# Allegro board reServer J2032_V1.brd (continued)
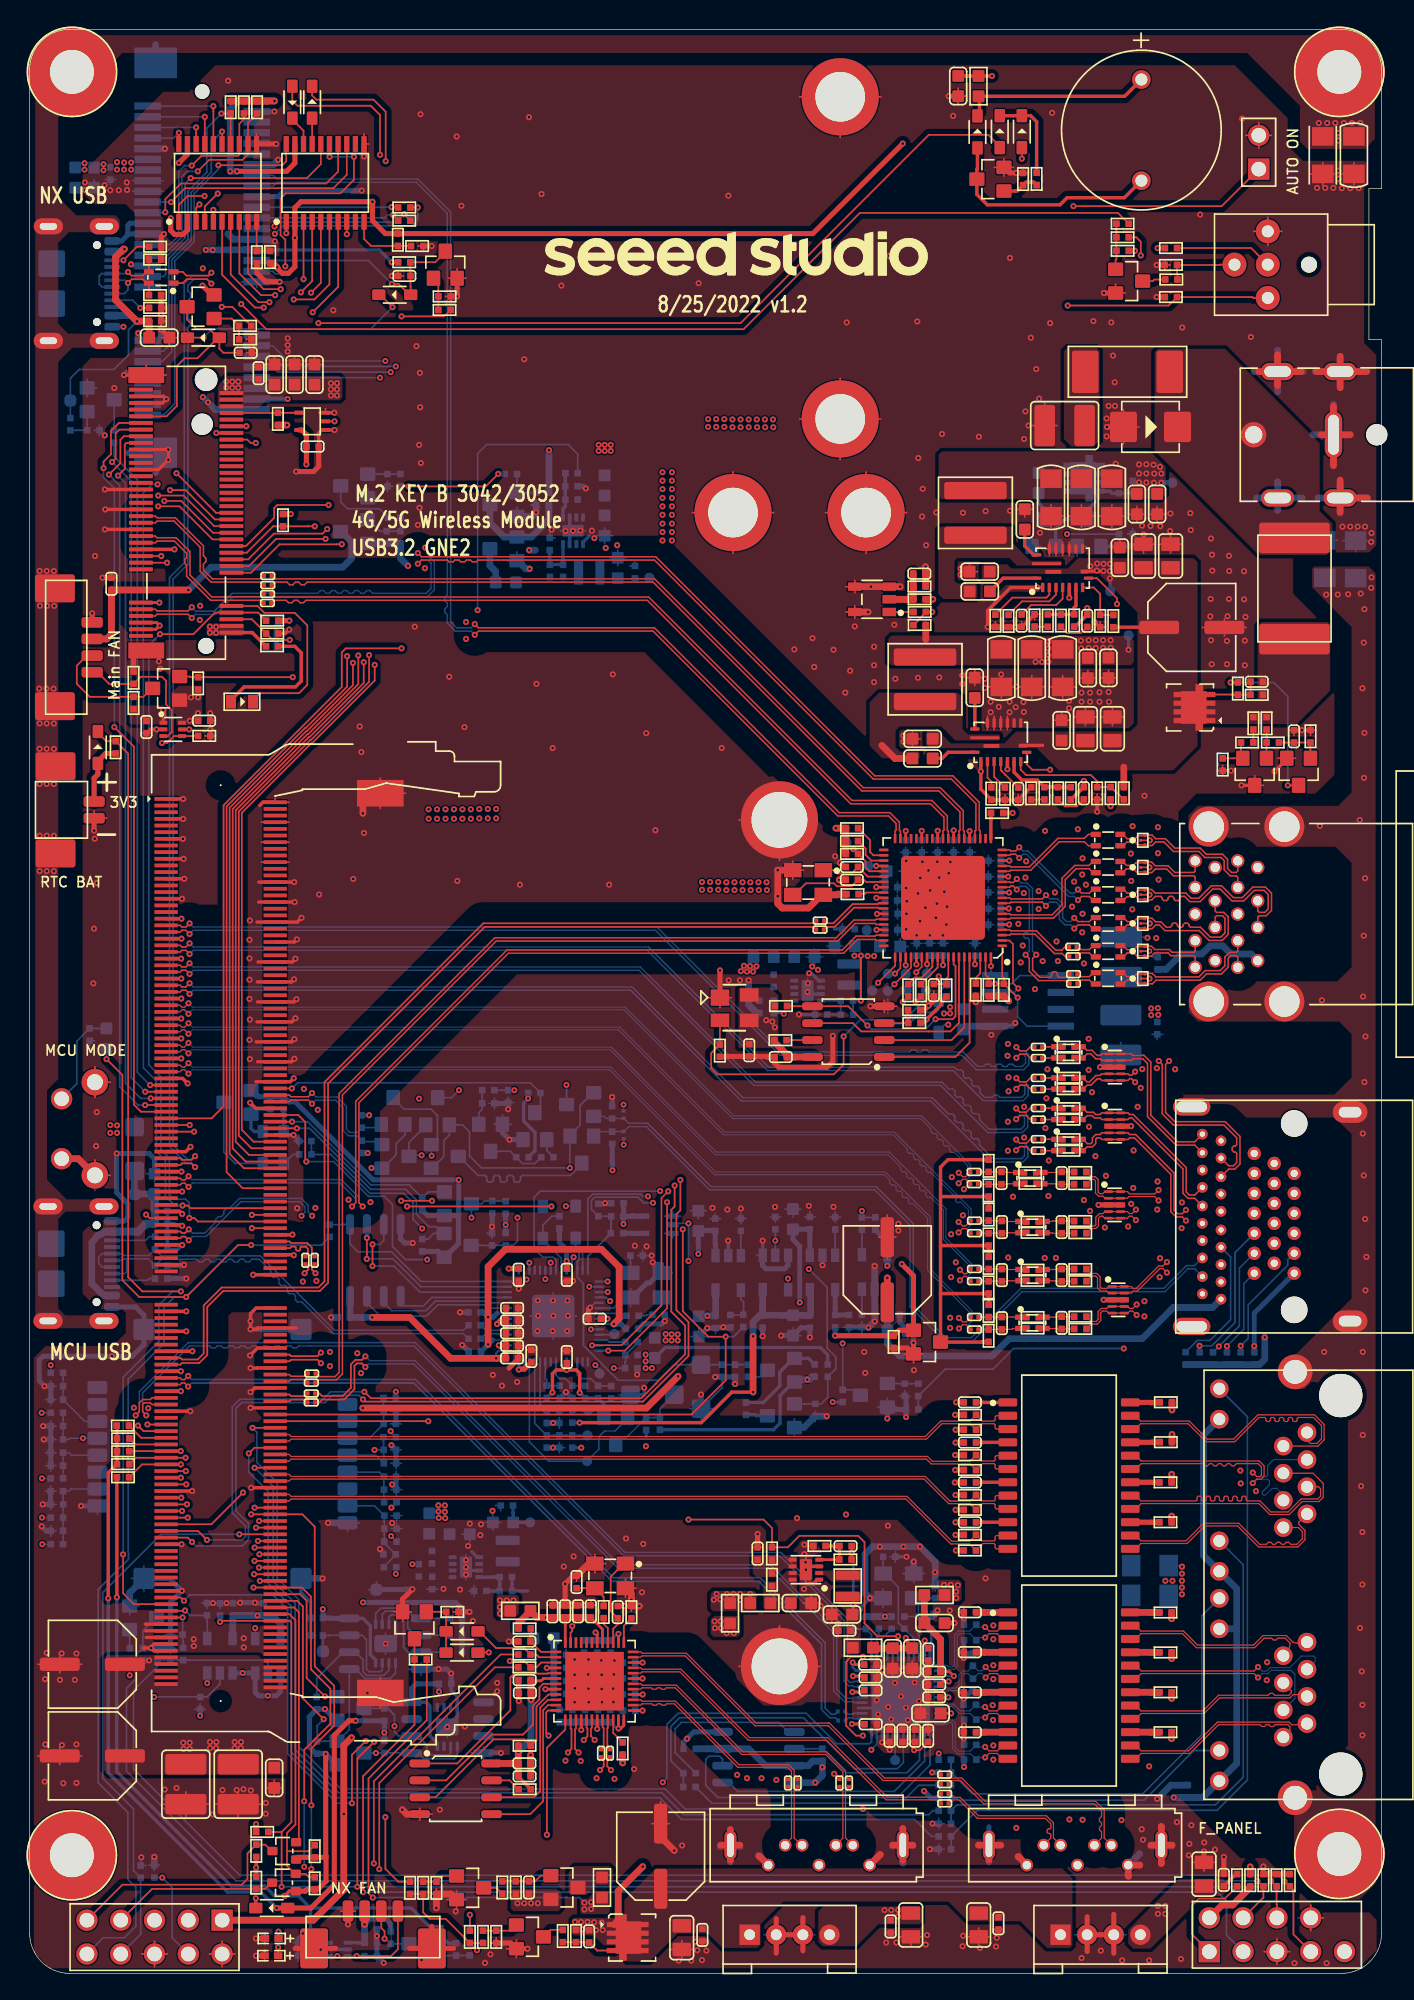
[diagram p0: board, top side]
## Copper pours and planes (outline as drawn; the poured copper is in the pictures)
0V95_SW on TOP: 59.06,30.26 62.37,30.26 62.47,30.16 62.47,29.52 62.37,29.42 60.28,29.42 59.8,29.9 59.04,29.9 59.01,29.93 59.01,30.21
1V05_SW on BOTTOM: 59.19,73.9 62.52,73.9 62.65,74.02 62.65,74.73 62.57,74.81 60.41,74.81 59.85,74.25 59.17,74.25 59.14,74.23 59.14,73.95
1V8_SW on BOTTOM: 40.9,107.68 40.9,104.38 41.03,104.25 41.64,104.25 41.74,104.35 41.74,106.48 41.23,106.99 41.23,107.65 41.18,107.7 40.93,107.7
1V25_SW on BOTTOM: 36.87,31.33 36.99,31.2 36.99,30.69 36.89,30.59 33.51,30.59 33.46,30.64 33.46,30.89 33.51,30.94 34.2,30.94 34.58,31.33
3V3_IN_A on BOTTOM: 29.98,31.48 29.98,32.09 29.45,32.62 29.45,33.41 29.55,33.51 31.96,33.51 32.13,33.34 32.13,30.65 32.09,30.61 31.28,30.61 30.49,31.4 30.06,31.4
3V3_IN_B on BOTTOM: 55.38,76.99 57.77,76.99 57.97,76.79 57.97,75.65 57.77,75.45 57.77,73.92 57.74,73.9 57.11,73.9 56.3,74.71 55.56,74.71 55.33,74.94 55.33,76.94
3V3_IN_C on TOP: 56.91,30.26 57.62,30.26 57.67,30.21 57.67,27.41 57.52,27.26 55.31,27.26 55.13,27.44 55.13,29.14 55.43,29.45 56.09,29.45
3V3_IN_D on BOTTOM: 40.9,111.06 40.9,109.13 40.98,109.05 43.62,109.05 43.98,109.4 43.98,111.44 43.85,111.56 42.05,111.56 41.61,111.13 40.98,111.13
3V3_MCU on BOTTOM: 45.4,46.82 47.3,46.82 47.51,46.62 47.51,45.42 47.3,45.22 45.65,45.22 45.35,45.52 45.35,46.77
3V3_MCU on LYR4_PWR: 47.05,56.78 47.05,45.3 46.87,45.12 34.86,45.12 34.4,45.57 34.4,56.22 35.42,57.23 46.59,57.23
12V_IN1 on TOP: 84.79,122.05 89.85,122.05 96.96,114.94 96.96,109.86 97.9,108.92 97.9,106.99 97.47,106.56 92.36,106.56 84.54,114.38 84.54,121.8
12V_IN2 on TOP: 97.75,101.33 97.75,96.37 95.23,93.86 88.07,93.86 88,93.94 88,95.64 88.02,95.66 92.11,95.66 92.29,95.84 92.29,101.25 92.57,101.53 97.55,101.53
GND_EARTH on TOP: 96.53,105.7 100.64,105.7 101.15,105.19 101.15,6.74 99.96,5.54 98,5.54 95.03,8.52 95.03,12.71 93.99,13.75 96.68,13.75 96.68,16.47 95.06,16.47 95.06,16.77 93.76,16.77 92.95,17.58 87.73,17.58 89.15,19 89.2,19.04 89.27,19.05 93.58,19.05 93.67,19.11 93.65,19.22 93.48,19.48 93.42,19.79 93.48,20.09 93.65,20.35 93.67,20.46 93.58,20.53 89.5,20.53 88.38,19.4 88.32,19.37 88.26,19.35 83.6,19.35 83.52,19.27 83.52,18.92 83.46,18.78 83.31,18.72 82.59,18.72 82.59,18.52 83.32,18.52 83.36,18.52 83.4,18.5 84.27,18.5 84.32,18.5 84.9,18.5 84.97,18.49 85.05,18.47 85.1,18.47 85.21,18.43 85.25,18.32 85.25,18.27 85.28,18.19 85.28,18.12 85.28,18.05 85.25,17.97 85.25,17.92 85.21,17.81 85.1,17.77 85.05,17.77 84.97,17.74 84.9,17.74 84.27,17.74 84.21,17.74 83.4,17.74 83.36,17.72 83.32,17.72 82.59,17.72 82.59,17.52 83.31,17.52 83.46,17.47 83.52,17.32 83.52,16.97 83.59,16.89 84.41,16.89 82.67,15.16 82.59,15.25 82.59,26.93 83.98,25.53 96.43,25.53 96.89,25.99 96.89,17.53 96.12,17.53 95.89,17.3 95.89,16.72 96.05,16.57 97.72,16.57 97.75,16.59 97.75,16.82 98.76,16.82 99.07,17.13 99.07,41.54 96.47,41.54 96.41,41.6 95.42,41.6 95.42,41.54 92.74,41.54 92.74,41.6 92.46,41.6 90.69,39.82 90.63,39.78 90.57,39.77 88.42,39.77 88.36,39.78 88.3,39.82 87,41.13 83.56,41.13 83.52,41.09 83.52,40.7 83.46,40.55 83.31,40.49 82.59,40.49 82.59,40.3 83.31,40.3 83.41,40.28 83.48,40.21 84.26,40.21 84.31,40.23 84.36,40.23 84.63,40.23 84.68,40.26 84.73,40.26 85.13,40.26 85.23,40.22 85.28,40.11 85.28,39.71 85.23,39.6 85.13,39.56 84.73,39.56 84.68,39.57 84.63,39.59 84.44,39.59 84.39,39.58 84.34,39.58 83.48,39.58 83.41,39.52 83.31,39.49 82.59,39.49 82.59,39.3 83.32,39.3 83.46,39.24 83.52,39.1 83.52,38.76 83.61,38.66 89.72,38.66 89.02,37.96 88.95,37.98 88.9,38.01 88.78,38.13 88.75,38.13 88.64,38.01 88.58,37.98 88.52,37.96 88.35,37.96 88.28,37.98 88.23,38.01 88.11,38.13 83.61,38.13 83.52,38.04 83.52,37.7 83.46,37.55 83.31,37.49 82.59,37.49 82.59,37.3 83.31,37.3 83.41,37.28 83.48,37.21 84.33,37.21 84.39,37.21 84.6,37.21 84.66,37.23 84.7,37.24 85.1,37.24 85.21,37.2 85.25,37.09 85.25,36.69 85.21,36.58 85.1,36.54 84.7,36.54 84.66,36.54 84.6,36.57 84.33,36.57 84.27,36.58 83.48,36.58 83.41,36.52 83.31,36.49 82.59,36.49 82.59,36.3 83.32,36.3 83.46,36.24 83.52,36.1 83.52,35.74 83.59,35.66 86.72,35.66 86.18,35.13 83.6,35.13 83.52,35.04 83.52,34.7 83.46,34.55 83.31,34.49 82.59,34.49 82.59,34.3 83.32,34.3 83.41,34.28 83.48,34.21 84.33,34.21 84.38,34.21 84.6,34.21 84.66,34.24 84.7,34.24 85.1,34.24 85.17,34.22 85.23,34.17 84.62,33.56 84.6,33.57 84.33,33.57 84.28,33.58 83.48,33.58 83.41,33.52 83.32,33.49 82.59,33.49 82.59,33.3 83.31,33.3 83.46,33.24 83.52,33.1 83.52,32.74 83.59,32.66 83.72,32.66 82.59,31.53 82.59,43.21 84.16,41.64 93.51,41.64 94.9,43.03 94.9,43.24 95.44,43.24 95.51,43.16 96.61,43.16 96.83,43.39 96.83,44.28 96.68,44.43 96.33,44.43 95.79,43.9 95.18,43.9 93.86,45.22 99.35,50.71 99.35,63.05 98.1,64.29 86.52,64.29 86.01,64.8 86.01,65.54 86.5,66.02 98.05,66.02 99.35,67.32 99.35,70.57 98.56,71.36 98.56,71.38 98.43,71.51 87.79,71.51 87.11,72.19 87.11,72.73 88.91,74.53 98.28,74.53 99.35,75.6 99.35,83.42 98.13,84.64 91.35,84.64 90.99,85 88.02,85 87.08,85.94 87.08,87 87.79,87.71 98.33,87.71 99.35,88.73 99.35,101.15 96.38,104.12 96.38,105.54 ; 2 cut-outs
GND_EARTH on BOTTOM: 84.92,27.41 87.13,27.41 87.39,27.67 87.39,31.12 86.83,31.68 84.97,31.68 84.74,31.45 84.74,27.59
GND_EARTH on BOTTOM: 96.53,105.7 100.64,105.7 101.15,105.19 101.15,6.74 99.96,5.54 98,5.54 95.29,8.26 95.29,11.44 93.91,12.81 93.94,12.81 94.17,13.04 94.17,14.33 95.62,15.78 95.72,15.78 95.72,15.81 97.98,18.07 97.98,41.08 97.47,41.59 96.86,41.59 93.55,44.9 99.35,50.71 99.35,63.05 98.1,64.29 86.52,64.29 86.01,64.8 86.01,65.54 86.5,66.02 98.05,66.02 99.35,67.32 99.35,70.57 98.56,71.36 98.56,71.38 98.43,71.51 87.79,71.51 87.11,72.19 87.11,73.74 87.89,74.53 98.28,74.53 99.35,75.6 99.35,83.42 98.13,84.64 87.89,84.64 87.08,85.45 87.08,87 87.79,87.71 98.33,87.71 99.35,88.73 99.35,101.15 96.38,104.12 96.38,105.54
GND_EARTH on LYR2_GND: 96.53,105.7 100.64,105.7 101.15,105.19 101.15,6.74 99.96,5.54 98,5.54 94.14,9.41 91.73,9.41 86.8,14.33 83.5,14.33 82.59,15.25 82.59,44.18 83.22,44.81 93.46,44.81 99.35,50.71 99.35,63.05 98.1,64.29 90.94,64.29 90.56,64.68 86.65,64.68 86.45,64.88 86.45,65.69 86.78,66.02 98.05,66.02 99.35,67.32 99.35,70.57 98.56,71.36 98.56,71.38 98.43,71.51 87.79,71.51 87.11,72.19 87.11,72.75 88.5,74.15 97.9,74.15 99.35,75.6 99.35,83.42 98.13,84.64 91.35,84.64 90.65,85.34 87.77,85.34 87.35,85.76 87.33,85.76 87.33,86.98 88.07,87.71 98.33,87.71 99.35,88.73 99.35,101.15 96.38,104.12 96.38,105.54
GND_EARTH on LYR3: 96.53,105.7 100.64,105.7 101.15,105.19 101.15,6.74 99.96,5.54 98,5.54 94.14,9.41 91.73,9.41 86.8,14.33 83.5,14.33 82.59,15.25 82.59,43.9 83.07,44.38 93.02,44.38 99.35,50.71 99.35,63.05 97.7,64.7 86.47,64.7 86.29,64.88 86.29,65.34 86.45,65.49 97.52,65.49 99.35,67.32 99.35,70.42 97.93,71.84 88.17,71.84 87.59,72.42 87.59,73.59 88.15,74.15 97.9,74.15 99.35,75.6 99.35,83.42 97.72,85.05 88.07,85.05 87.61,85.5 87.61,86.7 88.2,87.28 97.29,87.28 99.35,89.34 99.35,101.15 96.38,104.12 96.38,105.54
GND_EARTH on LYR4_PWR, LYR5_GND: 96.53,105.7 100.64,105.7 101.15,105.19 101.15,6.74 99.96,5.54 98,5.54 94.14,9.41 91.73,9.41 86.8,14.33 83.5,14.33 82.59,15.25 82.59,44.18 83.22,44.81 93.46,44.81 99.35,50.71 99.35,63.05 98.1,64.29 86.52,64.29 86.01,64.8 86.01,65.54 86.5,66.02 98.05,66.02 99.35,67.32 99.35,70.57 98.56,71.36 98.56,71.38 98.43,71.51 87.79,71.51 87.11,72.19 87.11,73.74 87.89,74.53 98.28,74.53 99.35,75.6 99.35,83.42 98.13,84.64 87.89,84.64 87.08,85.45 87.08,87 87.79,87.71 98.33,87.71 99.35,88.73 99.35,101.15 96.38,104.12 96.38,105.54
GND_EARTH1 on TOP: 96.25,137.07 100.34,137.07 100.64,137.37 100.64,139.22 100.39,139.48 96.25,139.48 95.95,139.17 95.95,137.37
GND_EARTH1 on TOP, LYR2_GND, LYR3, LYR5_GND: 91.5,144.28 6.97,144.28 2.14,139.45 2.14,133.43 3.49,132.09 6.44,132.09 6.77,131.76 6.77,131.1 6.49,130.82 2.96,130.82 2.14,130 2.14,123.93 2.88,123.2 6.21,123.2 6.41,122.99 6.41,122.44 6.11,122.13 3.21,122.13 2.14,121.06 2.14,67.19 1.31,66.35 1.31,59.62 2.78,58.15 6.26,58.15 6.44,57.97 6.44,57.49 6.18,57.23 2.7,57.23 2.14,56.67 2.14,49.97 2.68,49.44 6.03,49.44 6.28,49.18 6.28,48.72 6.03,48.47 0.72,48.47 0.42,48.78 0.42,143.52 2.52,145.63 99.7,145.63 101.1,144.23 101.1,137.83 100.34,137.07 96.02,137.07 95.46,137.62 95.46,140.32
GND_EARTH1 on BOTTOM: 91.5,144.28 6.97,144.28 2.14,139.45 2.14,132.82 2.88,132.09 6.44,132.09 6.77,131.76 6.77,131.1 6.49,130.82 2.96,130.82 2.14,130 2.14,123.93 2.88,123.2 6.21,123.2 6.41,122.99 6.41,122.44 6.11,122.13 3.21,122.13 2.14,121.06 2.14,67.19 1.31,66.35 1.31,59.62 2.78,58.15 6.26,58.15 6.44,57.97 6.44,57.49 6.18,57.23 2.7,57.23 2.14,56.67 2.14,49.97 2.68,49.44 6.03,49.44 6.28,49.18 6.28,48.72 6.03,48.47 0.72,48.47 0.42,48.78 0.42,143.52 2.52,145.63 99.7,145.63 101.1,144.23 101.1,137.83 100.34,137.07 96.02,137.07 95.46,137.62 95.46,140.32
GND_EARTH1 on LYR4_PWR: 91.5,144.28 6.97,144.28 2.14,139.45 2.14,133.43 3.49,132.09 6.44,132.09 6.77,131.76 6.77,131.1 6.49,130.82 2.96,130.82 2.14,130 2.14,123.93 2.88,123.2 6.21,123.2 6.41,122.99 6.41,122.44 6.11,122.13 3.21,122.13 2.14,121.06 2.14,67.19 1.31,66.35 1.31,59.62 2.78,58.15 6.26,58.15 6.46,57.94 6.46,57.51 6.18,57.23 2.7,57.23 2.14,56.67 2.14,49.97 2.68,49.44 6.03,49.44 6.28,49.18 6.28,48.72 6.03,48.47 0.72,48.47 0.42,48.78 0.42,143.52 2.52,145.63 99.7,145.63 101.1,144.23 101.1,137.83 100.34,137.07 96.02,137.07 95.46,137.62 95.46,140.32
GND_POWER on TOP: 57.85,32.39 57.85,27.26 59.65,25.46 60.97,25.46 61.05,25.53 61.05,27.11 58.84,29.32 58.84,31.38 59.22,31.76 59.22,32.39 59.09,32.52 57.97,32.52
GND_POWER on TOP: 65.29,53.78 63.99,53.78 63.76,54.01 63.76,56.67 64.04,56.95 65.26,56.95 65.62,56.6 65.62,54.11
GND_POWER on TOP: 24.27,19.72 28.1,19.72 28.31,19.92 28.31,22.41 28.03,22.69 24.27,22.69 23.96,22.38 23.96,20.02
GND_POWER on TOP: 13.98,143.36 90.56,143.36 94.55,139.38 94.55,137.32 95.69,136.18 99.6,136.18 100.29,135.49 100.29,122.51 101.2,121.6 101.2,107.3 100.67,106.76 95.46,106.76 94.95,106.26 94.95,103.66 98.05,100.57 98.05,90.05 96.63,88.63 87.69,88.63 86.34,87.28 86.34,85.15 87.41,84.08 97.32,84.08 98.54,82.86 98.54,76.26 97.49,75.22 87.72,75.22 86.09,73.59 86.09,73.54 84.62,73.54 84.31,73.24 83.91,73.24 83.37,72.7 83.37,72.88 83.04,72.88 83.04,73.03 82.64,73.44 74.71,73.44 74.25,72.98 74.25,71.28 75.12,70.42 83.04,70.42 83.88,69.58 86.27,69.58 86.6,69.25 86.6,66.89 86.83,66.66 86.09,66.66 85.28,65.84 85.28,64.45 86.17,63.56 91.96,63.56 91.96,57.39 85.96,51.39 85.25,51.39 84.49,50.63 84.49,49.21 83.91,48.62 81.72,48.62 80.76,47.66 74.51,47.66 73.72,46.87 73.72,14.13 74.48,13.37 86.27,13.37 90.97,8.67 92.9,8.67 96.99,4.58 100.67,4.58 101.23,4.02 101.23,1.73 99.88,0.39 1.51,0.39 0.31,1.58 0.31,46.26 1.18,47.12 6.23,47.12 7.22,48.11 7.22,49.61 6.94,49.89 5.14,49.89 3.97,51.06 3.97,55.68 4.89,56.6 6.84,56.6 7.45,57.21 7.45,58.48 6.97,58.96 4.61,58.96 3.97,59.6 3.97,120.73 4.61,121.37 7.12,121.37 7.91,122.16 7.91,132.21 7.2,132.93 4.84,132.93 3.97,133.79 3.97,135.29 10.04,141.36 11.97,141.36 ; 38 cut-outs
GND_POWER on TOP: 48.73,2.8 50.76,2.8 51.06,2.5 51.06,0.95 50.81,0.69 48.45,0.69 48.09,1.05 48.09,2.17
GND_POWER on TOP: 86.93,10.17 89.16,10.17 90.23,9.1 90.23,7.47 89.98,7.22 89.52,7.22 89.39,7.35 87.11,7.35 86.67,7.78 86.67,9.91
GND_POWER on TOP: 74.18,110.45 87.39,110.45 91.75,106.08 91.75,98.25 91.35,97.85 88.63,97.85 88.22,98.25 88.22,106.23 87.69,106.76 76.59,106.76 75.68,107.68 75.68,108.95 75.32,109.3 74.18,109.3 74.08,109.4 74.08,110.34
GND_POWER on TOP: 23.76,90.25 28.31,90.25 29.04,89.52 29.04,87.43 28.1,86.49 24.19,86.49 23.33,87.36 23.33,89.82
GND_POWER on TOP: 96.15,134.09 96.15,136 96.33,136.18 100.31,136.18 100.52,135.97 100.52,134.35 99.96,133.79 96.45,133.79
GND_POWER on TOP: 9.36,26.4 17,26.4 17.28,26.12 19.24,26.12 19.36,25.99 19.36,23.93 19.29,23.86 17.59,23.86 17.33,24.11 9.38,24.11 9.33,24.16 9.33,26.37
GND_POWER on TOP: 80.96,114.76 83.09,114.76 83.42,115.09 83.42,124.19 82.74,124.87 74.41,124.87 73.49,123.96 73.49,115.07 73.9,114.66 77.2,114.66 77.38,114.84 77.38,122.33 77.89,122.84 80.38,122.84 80.81,122.41 80.81,114.92
GND_POWER on TOP: 48.75,2.7 50.91,2.7 51.17,2.45 51.17,0.95 50.94,0.72 48.47,0.72 48.19,1 48.19,2.14
GND_POWER on TOP: 70.47,97.82 82.28,97.82 82.84,97.26 82.84,94.01 82.41,93.58 71.92,93.58 71.79,93.71 71.79,96.48 71.49,96.78 70.49,96.78 70.39,96.88 70.39,97.75
GND_POWER on TOP: 69.91,105.93 70.98,105.93 71.16,105.75 71.16,104.88 71,104.73 69.89,104.73 69.73,104.88 69.73,105.75
GND_POWER on TOP: 21.83,120.4 21.93,120.5 21.93,122.97 21.6,123.3 16.67,123.3 16.39,123.02 16.39,120.66 16.65,120.4
GND_POWER on TOP: 65.57,93.35 66.63,93.35 66.81,93.17 66.81,92.31 66.66,92.16 65.54,92.16 65.39,92.31 65.39,93.17
GND_POWER on TOP: 63.26,23.58 67.47,23.58 67.8,23.25 67.8,18.12 67.65,17.96 63.81,17.96 63.2,18.57 63.2,23.53
GND_POWER on TOP: 1.13,24.39 4.23,24.39 4.89,23.73 4.89,15.02 5.5,14.41 18.81,14.41 18.98,14.23 18.98,12.02 18.53,11.56 2.19,11.56 0.62,13.14 0.62,23.88
GND_POWER on TOP: 64.17,3.41 73.06,3.41 73.31,3.16 73.31,2.04 72.86,1.58 64.27,1.58 64.02,1.84 64.02,3.26
GND_POWER on TOP: 45.88,13.52 49.01,13.52 49.34,13.19 49.34,9.2 48.9,8.77 46.01,8.77 45.32,9.46 45.32,12.96
GND_POWER on TOP: 42.53,46.84 42.1,46.41 37.58,46.41 37.07,45.9 36.48,45.9 36.33,46.06 36.33,52.18 36.53,52.38 41.92,52.38 42.53,51.77
GND_POWER on TOP, BOTTOM, LYR2_GND, LYR3, LYR5_GND: 52.99,86.65 59.65,86.65
GND_POWER on TOP, BOTTOM, LYR2_GND, LYR3, LYR5_GND: 52.99,23.1 59.75,23.1
GND_POWER on BOTTOM: 14.11,143.14 90.69,143.14 94.68,139.15 94.68,137.09 95.82,135.95 99.73,135.95 100.42,135.26 100.42,122.28 101.33,121.37 101.33,107.07 100.8,106.53 95.59,106.53 95.08,106.03 95.08,103.44 98.18,100.34 98.18,89.82 96.76,88.4 87.82,88.4 86.47,87.05 86.47,84.92 87.54,83.85 97.44,83.85 98.66,82.63 98.66,76.03 97.62,74.99 87.84,74.99 86.22,73.36 86.22,72.96 85.3,72.96 85.25,72.91 85.25,53.55 85.35,53.45 87.49,53.45 88.2,54.16 88.2,62.11 86.98,63.33 89.82,63.33 89.77,63.28 89.77,62.59 89.85,62.52 90.21,62.52 91.73,60.99 91.73,47.91 92.62,47.02 91.27,47.02 88.73,49.56 86.32,49.56 82.25,45.5 74.71,45.5 73.85,44.63 73.85,27.46 70.14,27.46 68.97,26.3 68.97,25.97 68.89,25.97 68.87,25.94 68.87,25.81 69.05,25.81 69.17,25.69 69.73,25.69 69.81,25.61 69.81,14.1 70.55,13.37 74.03,13.37 74.2,13.55 74.61,13.14 86.4,13.14 91.09,8.44 93.02,8.44 97.11,4.35 100.8,4.35 101.36,3.79 101.36,1.51 100.01,0.16 1.64,0.16 0.44,1.35 0.44,46.03 1.31,46.9 6.36,46.9 7.35,47.89 7.35,49.38 7.07,49.66 5.27,49.66 4.1,50.83 4.1,55.46 5.01,56.37 6.97,56.37 7.58,56.98 7.58,58.25 7.1,58.73 4.73,58.73 4.1,59.37 4.1,120.5 4.73,121.14 7.25,121.14 8.04,121.93 8.04,131.99 7.32,132.7 4.96,132.7 4.1,133.56 4.1,135.06 10.17,141.13 12.1,141.13 ; 92 cut-outs
GND_POWER on BOTTOM: 40.09,24.37 44.49,24.37 44.84,24.01 44.84,19.51 44.76,19.44 39.71,19.44 39.41,19.74 39.41,20.17 39.99,20.76 39.99,24.26
GND_POWER on BOTTOM: 80.45,79.18 84.74,79.18 85.2,78.72 85.2,76.28 85,76.08 80.63,76.08 80.12,76.59 80.12,78.85
GND_POWER on BOTTOM: 43.39,108.85 39,108.85 38.69,108.54 38.69,107.6 38.8,107.5 39.43,107.5 39.84,107.91 41.82,107.91 44.23,105.49 45.76,105.49 45.81,105.54 45.81,106.43
GND_POWER on BOTTOM: 47.84,56.65 60.79,56.65 61.05,56.9 61.05,58.02 60.61,58.45 48.02,58.45 47.69,58.12 47.69,56.8
GND_POWER on BOTTOM: 80.22,70.8 84.97,70.8 85.05,70.72 85.05,68.46 84.34,67.75 80.3,67.75 79.92,68.13 79.92,70.49
GND_POWER on BOTTOM: 35.67,35.36 35.67,33.92 33.28,31.53 33.28,29.39 33.69,28.99 33.69,28.51 33.59,28.4 29.98,28.4 29.8,28.58 29.8,29.12 29.98,29.29 32.22,29.29 32.32,29.39 32.32,34.81 31.3,35.82 31.3,39.55 31.48,39.55
GND_POWER on BOTTOM: 58.86,78.82 61.22,78.82 61.33,78.72 61.33,77.2 58.94,74.81 58.94,72.96 58.79,72.8 58.12,72.8 58,72.93 58,74.96 58.43,75.39 58.43,78.39
GND_POWER on BOTTOM: 65.36,84.51 71.82,84.51 72.48,83.85 72.48,77.99 71.61,77.12 65.44,77.12 64.88,77.68 64.88,81.8 65.26,82.18 65.26,84.41
GND_POWER on BOTTOM: 96.45,106.76 100.67,106.76 101.13,107.22 101.13,108.8 100.82,109.1 96.66,109.1 96.35,108.8 96.35,106.86
GND_POWER on BOTTOM: 2.98,134.98 9.86,134.98 10.04,134.8 10.04,133.69 9.94,133.59 3.03,133.59 2.78,133.84 2.78,134.78
GND_POWER on LYR2_GND: 91.14,47.25 94.32,47.25 98.41,51.34 98.41,62.31 97.16,63.56 90.43,63.56 89.93,64.07 86.09,64.07 85.61,64.55 85.61,66.17 86.09,66.66 97.44,66.66 98.51,67.72 98.51,69.83 97.75,70.59 87.33,70.59 86.09,71.84 86.09,73.59 86.1,73.6 86.1,73.81 86.76,74.47 87.97,74.47 88.49,74.99 89.85,74.99 90.08,75.22 97.49,75.22 98.54,76.26 98.54,82.86 97.44,83.95 90.46,83.95 90.15,84.26 88.5,84.26 88,84.77 86.73,84.77 86.34,85.15 86.34,87.28 87.69,88.63 96.63,88.63 98.05,90.05 98.05,100.57 94.95,103.66 94.95,106.26 95.46,106.76 100.67,106.76 101.2,107.3 101.2,121.6 100.29,122.51 100.29,135.49 99.6,136.18 95.69,136.18 94.55,137.32 94.55,139.38 90.56,143.36 13.98,143.36 11.97,141.36 10.04,141.36 3.97,135.29 3.97,133.31 4.43,132.85 6.87,132.85 7.43,132.29 7.43,130.54 6.79,129.9 4.58,129.9 3.97,129.29 3.97,124.54 4.51,124.01 6.49,124.01 7.32,123.17 7.32,121.95 6.82,121.44 4.28,121.44 3.97,121.14 3.97,59.6 4.61,58.96 6.97,58.96 7.58,58.35 7.58,56.98 6.66,56.06 4.35,56.06 3.97,55.68 3.97,51.06 4.28,50.76 6.31,50.76 7.53,49.54 7.53,48.42 6.23,47.12 1.18,47.12 0.31,46.26 0.31,1.58 1.51,0.39 99.88,0.39 101.23,1.73 101.23,4.02 100.67,4.58 96.99,4.58 92.9,8.67 90.97,8.67 86.27,13.37 74.48,13.37 73.72,14.13 73.72,44.86 74.58,45.73 81.98,45.73 86.22,49.97 88.43,49.97
GND_POWER on LYR3: 13.98,143.36 90.56,143.36 94.55,139.38 94.55,137.32 95.69,136.18 99.6,136.18 100.29,135.49 100.29,122.51 101.2,121.6 101.2,107.3 100.67,106.76 95.46,106.76 94.95,106.26 94.95,103.66 98.05,100.57 98.05,90.05 96.8,88.79 87.35,88.79 86.04,87.48 86.04,84.84 87.16,83.73 97.67,83.73 98.54,82.86 98.54,76.26 97.66,75.38 87.88,75.38 86.09,73.59 86.09,71.84 87.33,70.59 97.75,70.59 98.51,69.83 98.51,67.72 97.44,66.66 86.09,66.66 85.28,65.84 85.28,64.45 87.23,62.49 87.23,50.83 82.13,45.73 74.58,45.73 73.72,44.86 73.72,14.13 74.48,13.37 86.27,13.37 90.97,8.67 92.9,8.67 96.99,4.58 100.67,4.58 101.23,4.02 101.23,1.73 99.88,0.39 1.51,0.39 0.31,1.58 0.31,46.26 1.18,47.12 6.23,47.12 7.22,48.11 7.22,49.61 6.94,49.89 5.14,49.89 3.97,51.06 3.97,55.68 4.89,56.6 6.84,56.6 7.45,57.21 7.45,58.48 6.97,58.96 4.61,58.96 3.97,59.6 3.97,120.48 4.84,121.34 6.64,121.34 7.35,122.05 7.35,123.1 6.46,123.98 4.58,123.98 3.97,124.59 3.97,130.03 4.25,130.31 6.69,130.31 7.2,130.82 7.2,132.06 6.64,132.62 4.28,132.62 3.97,132.93 3.97,135.29 10.04,141.36 11.97,141.36 ; 47 cut-outs
GND_POWER on LYR5_GND: 91.4,47.25 94.32,47.25 98.41,51.34 98.41,62.31 97.16,63.56 86.17,63.56 85.28,64.45 85.28,65.84 86.09,66.66 97.44,66.66 98.51,67.72 98.51,69.83 97.75,70.59 87.33,70.59 86.09,71.84 86.09,73.59 87.72,75.22 97.49,75.22 98.54,76.26 98.54,82.86 97.32,84.08 87.41,84.08 86.34,85.15 86.34,87.28 87.69,88.63 96.63,88.63 98.05,90.05 98.05,100.57 94.95,103.66 94.95,106.26 95.46,106.76 100.67,106.76 101.2,107.3 101.2,121.6 100.29,122.51 100.29,135.49 99.6,136.18 95.69,136.18 94.55,137.32 94.55,139.38 90.56,143.36 13.98,143.36 11.97,141.36 10.04,141.36 3.97,135.29 3.97,133.26 4.35,132.87 6.82,132.87 7.53,132.16 7.53,130.74 6.89,130.11 4.43,130.11 3.97,129.65 3.97,124.21 4.38,123.81 6.56,123.81 7.1,123.27 7.1,122.03 6.61,121.55 4.38,121.55 3.97,121.14 3.97,59.6 4.61,58.96 6.97,58.96 7.45,58.48 7.45,57.21 6,55.76 4.56,55.76 3.97,55.18 3.97,51.42 4.66,50.73 6.11,50.73 7.22,49.61 7.22,48.11 6.23,47.12 1.18,47.12 0.31,46.26 0.31,1.58 1.51,0.39 99.88,0.39 101.23,1.73 101.23,4.02 100.67,4.58 96.99,4.58 93.05,8.52 91.12,8.52 86.27,13.37 74.48,13.37 73.72,14.13 73.72,44.86 74.58,45.73 81.75,45.73 86.24,50.22 88.17,50.22 88.19,50.21 88.44,50.21
VDD09 on LYR3: 62.82,25.48 68.16,25.48 69.63,24.01 69.63,18.52 67.7,16.59 64.6,16.59 62.9,18.3 61.58,18.3 61.27,18.6 61.27,23.93
VDD_0V95 on TOP: 60.54,28.73 62.29,28.73 62.47,28.56 62.47,24.14 62.24,23.91 61.48,23.91 61.33,24.06 61.33,27.16 60.46,28.02 60.46,28.66
VDD_1V05 on BOTTOM: 61.58,77.12 60.61,76.16 60.61,75.55 60.74,75.42 63.99,75.42 64.6,76.03 64.6,80.86 64.37,81.08 62.11,81.08 61.58,80.55
VDD_1V05 on LYR4_PWR: 65.44,86.27 69.83,86.27 70.19,85.91 70.19,84.74 71.94,82.99 74.05,82.99 74.53,82.51 74.53,77.17 73.95,76.59 71.21,76.59 70.11,75.5 67.73,75.5 67.04,76.18 61.93,76.18 61.6,76.51 61.6,80.6 62.18,81.17 64.28,81.17 65.14,82.02 65.14,85.96
VDD_1V8 on TOP: 11.06,93.78 12.89,93.78 12.96,93.86 12.96,96.65 12.89,96.73 11.19,96.73 10.65,96.2 10.65,94.9 11.03,94.52 11.03,93.81
VDD_1V8 on BOTTOM: 34.93,99.73 36,100.79 36,104.91 36.28,105.19 40.34,105.19 40.62,104.91 40.62,104.1 40.88,103.84 42.3,103.84 42.5,104.05 42.5,106.13 42.55,106.18 43.11,106.18 44,105.29 45.91,105.29 46.09,105.47 46.09,113.01 46.64,113.57 49.13,113.57 49.64,113.06 49.64,81.95 48.12,80.42 13.65,80.42 11.62,82.46 11.62,96.96 14.39,99.73
VDD_1V8 on LYR4_PWR: 21.65,86.42 25,89.77 39.05,89.77 40.04,88.78 40.04,75.67 26.12,61.75 26.12,17.89 25.74,17.51 22.13,17.51 21.65,17.99
VDD_1V8 on LYR4_PWR: 49.4,113.58 50.33,112.66 50.33,107.5 49.51,106.69 4.53,106.69 4,107.22 4,121.11 4.3,121.42 6.66,121.42 7.25,122 7.25,123.2 6.64,123.81 4.51,123.81 4,124.31 4,129.57 4.53,130.11 6.89,130.11 9.2,132.42 11.36,132.42 12.18,131.6 12.18,114.92 13.51,113.58
VDD_1V25 on BOTTOM: 36.97,32.14 35.09,32.14 34.88,32.34 34.88,32.8 34.91,32.8 35.87,33.76 35.87,35.39 36.08,35.59 36.66,35.59 38.52,33.74 38.52,24.75 38.34,24.57 37.5,24.57 37.32,24.75 37.32,31.78
VDD_3V3 on TOP: 14.23,117.58 17.18,117.58 17.79,118.19 23.3,118.19 23.5,118.4 23.5,119.79 23.28,120.02 14.84,120.02 14.13,119.31 14.13,117.69 ; 2 cut-outs
VDD_3V3 on TOP: 68.28,27.92 69.83,27.92 70.04,28.12 70.04,29.34 69.81,29.57 68.36,29.57 68.18,29.39 68.18,28.02
VDD_3V3 on TOP: 16.04,101.4 16.11,101.33 16.11,100.62 15.99,100.49 13.42,100.49 13.29,100.62 13.29,101.28 13.42,101.4
VDD_3V3 on TOP: 36.48,26.75 36.76,27.03 36.76,28.28 36.61,28.43 35.19,28.43 35.09,28.33 35.09,26.88 35.21,26.75
VDD_3V3 on TOP: 53.32,69.53 55.86,69.53 56.27,69.93 56.27,73.46 55.66,74.07 53.4,74.07 53.27,73.95 53.27,69.58
VDD_3V3 on TOP: 54.65,27.26 54.65,28.53 54.44,28.73 51.39,28.73 51.17,28.51 51.17,27.41 51.37,27.21 54.59,27.21
VDD_3V3 on BOTTOM: 29.68,33.84 31.33,33.84 31.51,34.02 31.51,35.26 31.35,35.41 29.7,35.41 29.52,35.24 29.52,33.99
VDD_3V3 on BOTTOM: 10.2,136.56 10.25,136.51 10.25,135.19 10.2,135.14 2.96,135.14 2.78,135.31 2.78,136.3 3.03,136.56
VDD_3V3 on BOTTOM: 53.3,77.02 54.75,77.02 54.92,76.84 54.92,75.34 54.62,75.04 53.3,75.04 52.99,75.34 52.99,76.72
VDD_3V3 on BOTTOM: 50.17,81.03 50.17,120.66 51.37,121.85 78.6,121.85 79.51,120.94 79.51,110.62 79.28,110.4 77.17,110.4 76.87,110.7 76.87,111.82 76.59,112.1 75.17,112.1 74.48,111.41 74.48,87.79 73.59,86.9 65.06,86.9 58.71,80.55 50.66,80.55
VDD_3V3 on BOTTOM: 43.93,112.2 43.93,114.94 43.7,115.17 42.73,115.17 42.5,114.94 42.5,112.22 42.66,112.07 43.8,112.07
VDD_3V3 on LYR3: 11.72,100.49 14.21,100.49 14.46,100.74 14.46,112.61 11.74,115.32 11.74,117.23 12.3,117.79 15.78,117.79 16.27,118.27 16.27,120.83 15.45,121.65 10.27,121.65 9.64,121.01 9.64,114.05 11.67,112.02 11.67,100.54
VDD_3V3 on LYR4_PWR: 93.41,114.15 94.55,115.3 94.55,139.38 90.56,143.36 10.14,143.36 3.39,136.61 3.39,133.84 4.07,133.15 11.59,133.15 12.91,131.83 12.91,115.45 14.21,114.15
VDD_3V3 on LYR4_PWR: 49.01,36.48 72.73,36.48 73.7,35.52 73.7,28 73.47,27.77 51.67,27.77 50.33,26.42 50.33,18.04 49.79,17.51 26.98,17.51 26.6,17.89 26.6,61.25 40.62,75.27 40.62,87.87 42.33,89.57 73.85,89.57 74.38,89.03 74.38,83.65 74.08,83.34 71.97,83.34 70.47,84.84 70.47,86.14 69.94,86.67 65.21,86.67 64.63,86.09 64.63,82.1 63.99,81.46 62.01,81.46 61.3,80.75 61.3,76.38 61.73,75.95 66.86,75.95 67.62,75.19 70.27,75.19 71.28,76.21 73.97,76.21 74.53,75.65 74.53,61.4 61.83,48.7 48.68,48.7 47.48,49.89 47.48,56.98 46.77,57.69 34.96,57.69 33.84,56.57 33.84,45.32 34.71,44.46 46.16,44.46 47.1,43.52 47.1,38.39
VDD_5V on TOP: 10.25,93.83 10.35,93.94 10.35,94.95 10.04,95.26 7.55,95.26 7.48,95.18 7.48,93.99 7.63,93.83
VDD_5V on TOP: 5.85,23.91 17.15,23.91 17.43,23.63 19.34,23.63 19.36,23.6 19.36,15.15 19.14,14.92 5.93,14.92 5.57,15.27 5.57,23.63
VDD_5V on TOP: 72.02,100.49 82.61,100.49 82.99,100.11 82.99,98.53 82.74,98.28 64.75,98.28 64.53,98.51 64.53,100.26 64.77,100.5 72.01,100.5
VDD_5V on TOP: 36.2,6.36 39.61,6.36 39.96,6 39.96,4.91 39.74,4.68 36.33,4.68 36.15,4.86 36.15,6.31
VDD_5V on BOTTOM: 69.25,73.03 73.24,73.03 73.57,72.7 73.57,71.99 73.31,71.74 68.77,71.74 68.51,71.99 68.51,72.3
VDD_5V on LYR3: 68.21,71.86 69.22,71.86 69.5,72.14 69.5,73.82 71.26,75.57 71.26,86.65 76.82,92.21 76.82,100.11 76.57,100.36 75.65,100.36 75.35,100.06 75.35,92.97 70.04,87.66 70.04,76.31 67.9,74.18 67.9,72.17
VDD_5V on LYR4_PWR: 82.51,99.91 82.51,96.91 75.98,90.38 24.42,90.38 20.76,86.72 20.76,17.61 21.45,16.92 49.64,16.92 50.35,16.21 50.35,5.52 49.84,5.01 36.43,5.01 31.3,10.14 15.07,10.14 9.79,15.42 9.79,45.09 11.49,46.79 11.49,58.66 9.79,60.36 9.79,95.13 15.1,100.44 81.98,100.44
VDD_12V on TOP: 40.9,4.17 44.23,4.17 44.49,3.92 44.49,2.14 44.46,2.12 43.14,2.12 42.4,2.85 40.93,2.85 40.75,3.03 40.75,4.02
VDD_12V on TOP: 80.38,105.14 83.22,102.29 83.25,102.29 83.25,93.83 82.71,93.3 74.13,93.3 73.24,92.41 69.22,92.41 68.28,93.35 67.52,93.35 67.35,93.17 67.35,92.34 67.62,92.06 75.68,92.06 77.35,90.38 85.94,90.38 87.77,92.21 87.77,106.03 87.46,106.33 78.8,106.33 78.01,105.54 73.77,105.54 73.44,105.87 71.74,105.87 71.56,105.7 71.56,104.86 71.66,104.76 72.5,104.76 72.88,105.14
VDD_12V on BOTTOM: 6.11,64.35 8.57,64.35 8.72,64.19 8.72,62.77 8.54,62.59 6.13,62.59 5.78,62.95 5.78,64.02
VDD_12V on LYR4_PWR: 82.46,101.61 81.7,100.85 14.61,100.85 9.23,95.46 9.23,60.26 11.13,58.35 11.13,47.2 9.23,45.3 9.23,15.09 14.69,9.63 31,9.63 36.03,4.6 49.92,4.6 50.3,4.22 50.3,1.23 49.72,0.64 6.21,0.64 3.21,3.64 3.21,46.72 3.62,47.12 6.23,47.12 7.22,48.11 7.22,58.48 4,61.7 4,105.7 4.4,106.1 49.9,106.1 50.86,107.07 50.86,112.68 51.65,113.47 81.67,113.47 82.46,112.68
(no net) on BOTTOM: 13.98,143.36 90.56,143.36 94.55,139.38 94.55,137.32 95.69,136.18 99.6,136.18 100.29,135.49 100.29,122.51 101.2,121.6 101.2,107.3 100.67,106.76 95.46,106.76 94.95,106.26 94.95,103.66 98.05,100.57 98.05,90.05 96.63,88.63 87.69,88.63 86.34,87.28 86.34,85.15 87.41,84.08 97.32,84.08 98.54,82.86 98.54,76.26 97.49,75.22 87.72,75.22 86.09,73.59 86.09,73.18 85.18,73.18 85.13,73.13 85.13,53.78 85.23,53.68 87.36,53.68 88.07,54.39 88.07,62.34 86.85,63.56 89.7,63.56 89.65,63.51 89.65,62.82 89.72,62.75 90.08,62.75 91.6,61.22 91.6,48.14 92.49,47.25 91.14,47.25 88.6,49.79 86.19,49.79 82.13,45.73 74.58,45.73 73.72,44.86 73.72,27.69 70.01,27.69 68.84,26.52 68.84,26.19 68.77,26.19 68.74,26.17 68.74,26.04 68.92,26.04 69.05,25.92 69.61,25.92 69.68,25.84 69.68,14.33 70.42,13.6 73.9,13.6 74.08,13.77 74.48,13.37 86.27,13.37 90.97,8.67 92.9,8.67 96.99,4.58 100.67,4.58 101.23,4.02 101.23,1.73 99.88,0.39 1.51,0.39 0.31,1.58 0.31,46.26 1.18,47.12 6.23,47.12 7.22,48.11 7.22,49.61 6.94,49.89 5.14,49.89 3.97,51.06 3.97,55.68 4.89,56.6 6.84,56.6 7.45,57.21 7.45,58.48 6.97,58.96 4.61,58.96 3.97,59.6 3.97,120.73 4.61,121.37 7.12,121.37 7.91,122.16 7.91,132.21 7.2,132.93 4.84,132.93 3.97,133.79 3.97,135.29 10.04,141.36 11.97,141.36 ; 91 cut-outs
DC_3V3_LX on TOP: 77.53,105.77 74.2,105.77 73.64,106.33 69.71,106.33 69.5,106.13 69.5,104.63 69.71,104.43 71.05,104.43 71.21,104.27 71.21,103.39 71.08,103.26 68.67,103.26 68.28,103.64 68.28,108.49 68.49,108.69 73.77,108.69 73.87,108.59 73.87,107.47 75.22,106.13 77.48,106.13 77.56,106.05 77.56,105.8
DC_3V3_OUT on TOP: 85.38,111.13 85,110.75 68.54,110.75 68.31,110.98 68.31,114.1 68.56,114.36 84.21,114.36 85.38,113.19
DC_3V3_OUT on BOTTOM: 85.25,111.74 79.79,111.74 79.64,111.89 79.64,113.62 79.74,113.72 85.23,113.72 85.38,113.57 85.38,111.87
DC_3V3_OUT on BOTTOM: 46.49,48.83 48.83,48.83 48.98,48.67 48.98,47.33 48.93,47.28 46.54,47.28 46.42,47.4 46.42,48.75
DC_3V3_OUT on LYR4_PWR: 85.25,86.29 87.59,88.63 96.63,88.63 98.05,90.05 98.05,100.54 94.93,103.66 94.93,112.02 93.48,113.47 83.7,113.47 83.04,112.81 83.04,96.37 75.02,88.35 75.02,60.99 62.37,48.34 47.74,48.34 47.46,48.06 47.46,38.59 48.83,37.22 72.91,37.22 73.72,38.03 73.72,44.86 74.61,45.75 81.34,45.75 85.25,49.66
DC_5V_LX on TOP: 72.88,92.64 69.55,92.64 68.51,93.68 65.39,93.68 65.08,93.38 65.08,92.11 65.39,91.8 66.76,91.8 66.89,91.68 66.89,90.76 66.74,90.61 64.42,90.61 63.13,91.9 63.13,95.51 63.84,96.22 69.76,96.22 70.11,95.87 70.11,93.48 70.52,93.07 72.86,93.07 72.91,93.02 72.91,92.67
HUB1_5V on BOTTOM: 76.41,72.83 84.85,72.83 85.23,72.45 85.23,71.43 84.85,71.05 79.33,71.05 78.47,71.91 76.41,71.91 76.31,72.02 76.31,72.73
HUB1_5V on LYR3: 87.28,78.16 89.27,78.16 90.13,77.3 90.13,75.55 89.95,75.37 87.87,75.37 85.25,72.75 85.25,71.91 84.95,71.61 84.03,71.61 83.83,71.81 83.83,74.71
HUB2_5V on BOTTOM: 87.18,78.06 92.85,78.06 93.05,77.86 93.05,75.45 92.54,74.94 87.44,74.94 85.79,73.29 76.46,73.29 76.34,73.41 76.34,74.1 76.41,74.18 79.03,74.18 80.63,75.78 84.9,75.78 ; 1 cut-out
PHY_AVDD33 on TOP: 63.84,17.94 66.68,17.94 66.89,17.74 66.89,16.85 66.58,16.54 64.22,16.54 63.71,17.05 63.71,17.81
PHY_AVDD33 on TOP: 51.39,25.28 51.19,25.48 51.19,26.58 51.47,26.85 53.22,26.85 53.4,26.68 53.4,25.48 53.2,25.28
PHY_AVDD33 on LYR4_PWR: 73.39,27.11 73.7,26.8 73.7,14.05 74.48,13.27 86.34,13.27 95.03,4.58 95.03,1.25 94.32,0.54 52.38,0.54 50.96,1.96 50.96,26.35 51.72,27.11
S_5V on TOP: 40.65,5.9 41.87,5.9 42.58,6.61 43.62,6.61 43.82,6.81 43.82,7.8 43.57,8.06 40.95,8.06 40.5,7.6 40.5,6.05
SATA_1V25 on LYR3: 38.69,25.84 45.17,25.84 46.42,24.59 46.42,18.93 45.55,18.07 39.05,18.07 38.47,18.65 38.47,25.61
SATA_5V on TOP: 43.6,6 43.6,4.63 43.42,4.45 41.49,4.45 41.39,4.55 41.39,5.52 41.48,5.61 41.93,5.61 42.53,6.2 43.39,6.2
SATA_5V on TOP: 59.27,2.37 59.27,4.66 59.65,5.04 66.86,5.04 67.04,4.86 67.04,3.87 66.86,3.69 63.79,3.69 62.14,2.04 59.6,2.04
SATA_5V on TOP: 86.37,7.09 89.7,7.09 90.03,6.76 90.03,6.23 89.21,5.42 87.79,5.42 84.24,1.86 82.94,1.86 82.56,2.24 82.56,3.28
SATA_5V on BOTTOM: 85.46,3.99 85.63,4.17 85.63,5.44 85.38,5.7 41.64,5.7 41.44,5.49 41.44,4.3 41.74,3.99
SATA_12V on TOP: 78.37,2.09 78.19,1.91 76.46,1.91 74.46,3.92 70.52,3.92 69.05,5.39 56.63,5.39 54.95,3.72 54.95,2.19 54.67,1.91 52.05,1.91 50.96,3 48.7,3 46.59,0.9 44.89,0.9 44.69,1.1 44.69,5.52 47.06,7.89 77.59,7.89 78.37,7.12
N5919465 on BOTTOM: 82.08,29.29 83.5,29.29 83.65,29.14 83.65,27.92 84.59,26.98 85.94,26.98 86.32,26.6 86.32,17.61 86.01,17.3 85.33,17.3 85.02,17.61 85.02,24.29 81.95,27.36 81.95,29.17
N5989611 on BOTTOM: 82.05,29.78 83.5,29.78 83.65,29.93 83.65,31.02 86.4,33.76 86.4,42.58 86.14,42.83 85.43,42.83 85.15,42.55 85.15,34.68 81.95,31.48 81.95,29.88
N6138605 on TOP: 80.4,121.9 80.4,115.17 79.94,114.71 78.29,114.71 77.73,115.27 77.73,121.88 78.01,122.16 80.15,122.16
N6351323 on BOTTOM: 32.09,29.5 29.02,29.5 28.86,29.65 28.86,30.13 28.99,30.26 29.63,30.26 29.83,30.46 29.83,30.92 29.98,31.07 30.41,31.07 31,30.49 32.01,30.49 32.14,30.36 32.14,29.55
N6351435 on BOTTOM: 57.74,72.78 54.62,72.78 54.47,72.93 54.47,74.12 54.72,74.38 56.22,74.38 56.85,73.74 57.74,73.74 57.79,73.69 57.79,72.83
N6352293 on TOP: 54.42,31.4 57.52,31.4 57.67,31.25 57.67,30.46 57.62,30.41 56.68,30.41 56.04,29.78 54.62,29.78 54.34,30.06 54.34,31.33

## Text on the board
Ref Des/Silkscreen Bottom: SIM | MODE | NX_TX | NX_RX | FORCE_REC | GND | MCU_TX | RST | MCU_RX | 3V3 | SATA0 | SATA1 | BOT M.2 | TOP Mini PCIe | 12V | 5V | DP | HDMI | RTC BAT | Mini-PCIe | Lora/Series Wireless Module | PWR BUTTON | DC 12V/5A | USB 3.2 GEN 2 | 2500M | 1000M
Ref Des/Silkscreen Top: RTC BAT | MCU MODE | 3V3 | NX FAN | F_PANEL | Main FAN | AUTO ON | NX USB | MCU USB | 4G/5G Wireless Module | USB3.2 GNE2 | M.2 KEY B 3042/3052 | 8/25/2022 v1.2 | 1 | 5 | 4.3/5.5 | 3.3/4.5 | 3.0/5.0 | 5/5.5 | 3.5/5 | LAYER 1 - PRIMARY SIDE - SIGNAL | LAYER 2 - GROUND PLANE | LAYER 3 - SIGNAL PLANE | LAYER 4 - POWER PLANE | LAYER 5 - GROUND PLANE | LAYER 6 - SECONDARY SIDE - SIGNAL | LAYER# | COPPER WEIGHT | HALF+PLATING | (OZ) | IMPEDANCE CONTROL | +/- 10% | 50ohm SINGLE ENDED | TRACE WIDTH | TRACE WIDTH / SPACE | 90ohm DIFFERENTIAL | 100ohm DIFFERENTIAL | 85ohm DIFFERENTIAL | LAYER STACK-UP - ALL DIMENSIONS IN INCHES
User.23: 75 | 74 | 33 | 32 | 23 | 22 | 2 | R195 | Q31 | R189 | C106 | R197 | D58 | D57 | J1 | J2 | R196 | R191 | C110 | C109 | U19 | U20 | C107 | R193 | D59 | D55 | FB2 | R1 | C108 | R199 | C1 | R194 | R190 | FB1 | D56 | TP71 | TP70 | C32 | FB4 | TP64 | FB3 | R192 | R198 | LED | PWR BTN | GND | FC REC | AUTO ON | SYS RST | DIS | UART TXD | UART RXD | U18 | U22 | Q2 | U3 | Q20 | C52 | C53 | Q25 | D44 | D45 | D47 | Q5 | Q6 | ETH | HDMI | USB3.0 | USB2.0 | PWR | POE | - | + | Micro SD | C34 | C7 | LED1 | J3 | F1 | Q3 | U1 | U2 | J4 | C8 | X1 | U4 | U5 | J7 | 1 | U7 | J6 | C41 | C36 | Q15 | Q18 | U6 | Q14 | Q16 | Q17 | U8 | J8 | U9 | U12 | U11 | U14 | Q21 | J9 | Q22 | U13 | J13 | U15 | D25 | D26 | U16 | Q26 | D34 | D35 | J15 | D43 | J10 | U21 | X2 | J12 | D54 | U25 | 40 | 39 | U24 | U23 | J16 | J5 | J11 | U10 | J14 | In | Power | 5V 3A | USB | FAN | CAM0 | CAM1 | 1.65-5.5V | 1OZ | 5 | 4.1/4 | 3.9/4.7 | 4/7 | LAYER 1 - PRIMARY SIDE - SIGNAL | LAYER 4 - SECONDARY SIDE - SIGNAL | LAYER 2 - GND Plane | LAYER 3 - PWR Plane | LAYER# | COPPER WEIGHT | HALF+PLATING | (OZ) | IMPEDANCE CONTROL | +/- 10% | 50ohm SINGLE ENDED | TRACE WIDTH | TRACE WIDTH / SPACE | 85ohm DIFFERENTIAL | 90ohm DIFFERENTIAL | 95ohm DIFFERENTIAL | LAYER STACK-UP - ALL DIMENSIONS IN INCHES
User.34: FIGURE | FINISHED_SIZE | 51.18x19.69 | 66.93x31.5 | 70.08x19.69 | 78.74x31.5 | 90.55x31.5 | 118.11x31.5 | ROTATION | 0.000 | 90.000 | SLOT HOLES: TOP to BOTTOM | ALL UNITS ARE IN MILS | TOLERANCE_DRILL | +0.0/-0.0 | PLATED | QTY | 8 | 2 | 4 | 1 | 21 | TOTAL HOLES:
User.35: FIGURE | FINISHED_SIZE | 8.0 | 15.75 | 21.65 | 25.0 | 27.56 | 32.0 | 35.43 | 43.31 | 47.24 | 51.18 | 70.87 | 90.55 | 129.92 | 146.85 | 165.35 | 23.62 | 62.99 | 66.93 | 78.74 | 127.95 | ROTATION | - | DRILL CHART: TOP to BOTTOM | ALL UNITS ARE IN MILS | TOLERANCE_DRILL | +0.0/-0.0 | +3.0/-3.0 | +1.97/-1.97 | PLATED | NON-PLATED | QTY | 1 | 1659 | 20 | 19 | 14 | 18 | 2 | 6 | 28 | 23 | 4 | 1827 | TOTAL HOLES:
